# Altium PCB VM3300_V0.5_潘工改.PcbDoc (part 1 of 2) (continued)
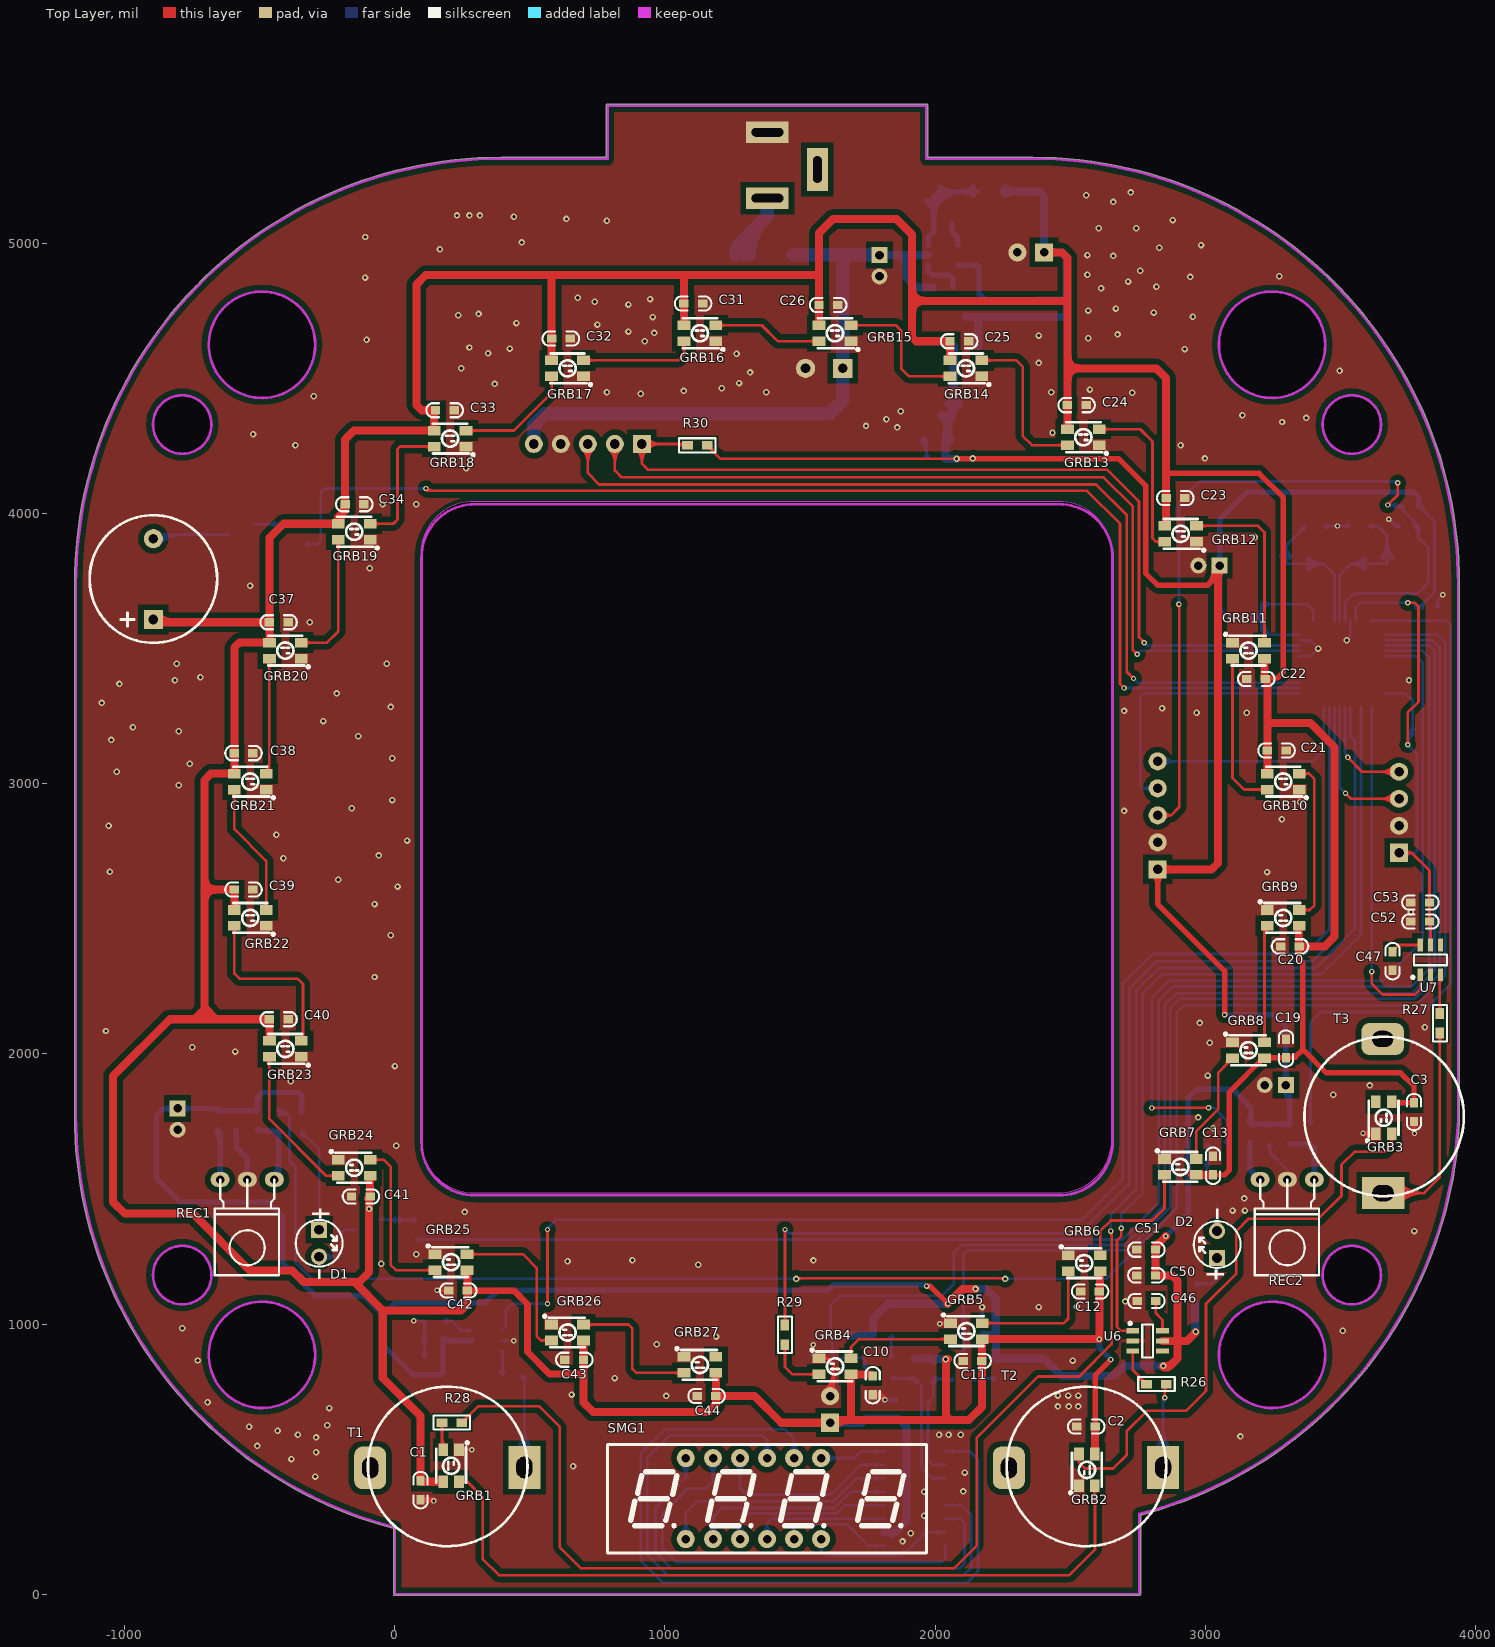
[diagram p0: Top Layer view]
## Footprints (in the part's own frame and the unit in brackets; to place one, negate y for a bottom-side part, rotate by r counter-clockwise, add the part's x,y. Pads: shape width x height; smd on the part's side, far side on the other; paste and mask are expansions set on the pad) (continued)
  silkscreen extent -3.68,-4.83 2.65,2.65, body extent -4.5,-4.5 4.5,4.5, height 1.05
SWD_JOANLAB [mm]
  rect 1.7x1.7 hole 0.9: 1(10.16,0)
  round 1.7 hole 0.9: 2(7.62,0) 3(5.08,0) 4(2.54,0) 5(0,0)
  silkscreen extent -2.4,-3.45 12.6,2.49, body extent -2.5,-3.3 12.66,2.4, height 7.03
TH_Touch [mm]
  rect 4x3 hole 2 slot 1.5 at 90 deg: 1(-0.062,-13.535)
  rrect50% 4x3 hole 2 slot 1.5 at 90 deg: 2(-0.102,0.965)
  silkscreen extent -7.46,-13.82 7.54,1.17, body extent -7.53,-13.64 7.57,1.46, height 8
TK8021 [mm]
  rect 0.5x1.2 smd: 1(-0.95,-1.4) 2(0,-1.4) 3(0.95,-1.4) 4(0.95,1.4) 5(0,1.4) 6(-0.95,1.4)
  silkscreen extent -1.78,-1.78 1.55,0.51, body extent -1.5,-1.4 1.5,1.4, height 1.15
TM1650 [mm]
  oval 1.745x0.56 smd: 1(-2.872,4.572) 2(-2.872,3.302) 3(-2.872,2.032) 4(-2.872,0.762) 5(-2.872,-0.508) 6(-2.872,-1.778) 7(-2.872,-3.048) 8(-2.872,-4.318) 9(2.872,-4.318) 10(2.872,-3.048) 11(2.872,-1.778) 12(2.872,-0.508) 13(2.872,0.762) 14(2.872,2.032) 15(2.872,3.302) 16(2.872,4.572)
  silkscreen extent -3.02,-4.95 1.77,5.45, body extent -3,-4.87 3,5.13, height 1.9
WS2812B-3528 [mm] "外观?"
  rect 1.2x0.9 smd: 1(-1.5,0.75) 2(-1.5,-0.75) 3(1.5,-0.75) 4(1.5,0.75)
  silkscreen extent -1.6,-1.65 2.29,1.4, body extent -1.75,-1.4 1.75,1.4, height 1.85
XH2.54-4P [mm]
  rect 1.7x1.7 hole 0.9: 1(0,0)
  round 1.7 hole 0.9: 2(2.54,0) 3(5.08,0) 4(7.62,0)
  silkscreen extent -2.49,-3.45 9.88,2.49, body extent -2.5,-3.3 10.12,2.4, height 7.03
XH2.54-5P [mm]
  rect 1.7x1.7 hole 0.9: 1(0,0)
  round 1.7 hole 0.9: 2(2.54,0) 3(5.08,0) 4(7.62,0) 5(10.16,0)
  silkscreen extent -2.4,-3.45 12.6,2.49, body extent -2.5,-3.3 12.66,2.4, height 7.03
"XTAL-49S SMD" [mm]
  rect 5x2 smd: 1(-4.75,0) 2(4.75,0)
  silkscreen extent -5.7,-2.4 5.7,2.4, body extent -6.7,-2.46 6.7,2.44, height 4

## Part data
E1 E2 E3 E4 E5 E6 E7: library part C-
L1: library part L
Q1 Q2: "N-MOS"
R28 R29: library part R
REC1 REC2: library part HC-1538
T1 T2 T3: library part T
U1: "STM32F030采用ARM Cortex内核，运算速度高达48"
U2: "D"
U3: library part AMS111
U4: "TM1650是一种带"
Y1: library part XTA

## Via types
v1: diameter 24, hole 12, Top Layer to Bottom Layer, 169 vias
v2: diameter 20, hole 10, Top Layer to Bottom Layer, 41 vias
v3: diameter 24, hole 12, Top Layer to Bottom Layer, tented both sides, 33 vias

## Nets (pads, with @x,y where several pads share a name; then routed paths per layer and width w, separated by ;. In a path a pad name is that pad's centre, name@x,y a point inside that pad or via, vN(x,y) a via of type N, cw(c..) or ccw(c..) an arc to the next point about the centre after c; other vN are vias at no path point)
3.3V: C5.2 C6.2 C7.2 C8.2 C16.2 C17.2 C35.1 C36.1 C48.2 C49.2 C50.2 C51.2 C52.2 C53.2 E2.1 E5.1 E6.1 R1.2 R5.2 R6.2 R7.2 R9.2 R11.2 R12.2 R13.1 R14.1 R17.2 R18.2 R30.2 SWD1.1 U1.1 U1.9 U1.24 U1.48 U3.2 U5.5 U6.5 U7.5 UART.1 | length 20396.2
  Top Layer w10: R30.2@1156.5,4253.65 1206.5,4203.65 v1(2080,4203.65) ; R30.2@1160.75,4242.9 cw(c1160.75,4227.22) R30.2@1171.84,4238.31 ; R30.2@1171.5,4253.65 ccw(c1207.71,4253.65) 1182.11,4228.04 ; v1@2075.05,4198.7 ccw(c2063.1,4186.75) 2063.1,4203.65 ccw(c2063.1,4220.55) v1@2075.05,4208.6 ; UART.1@3718.19,2745 3764.65,2745 ; UART.1@3743.54,2732.07 cw(c3764.65,2721.31) 3764.65,2745 ; UART.1@3743.54,2757.93 ccw(c3764.65,2768.69) 3764.65,2745 ; v2@3746.46,3148.54 ccw(c3737.93,3157.07) 3750,3157.07 ccw(c3762.07,3157.07) v2@3753.54,3148.54 ; v2(3750,3145) 3750,3264.03 3790,3304.03 3790,3656.02 3774.93,3671.08 v2(3750,3671.08) ; v2@3753.54,3667.55 cw(c3762.07,3659.01) 3762.07,3671.08 cw(c3762.07,3683.15) v2@3753.54,3674.62 ; C52.2@3823.96,2497.07 ccw(c3806.89,2514.14) 3831.03,2514.14 ccw(c3855.18,2514.14) C52.2@3838.11,2497.07 ; C53.2@3823.96,2554.06 cw(c3806.89,2536.98) 3831.03,2536.98 cw(c3855.18,2536.98) C53.2@3838.11,2554.06 ; C53.2@3823.96,2568.2 ccw(c3806.89,2585.27) 3831.03,2585.27 ccw(c3855.18,2585.27) C53.2@3838.11,2568.2 ; C52.2@3826.46,2482.93 cw(c3807.21,2463.68) 3834.44,2463.68 ; U7.5@3831.01,2420.97 ccw(c3822.75,2429.24) 3834.44,2429.24 ccw(c3846.13,2429.24) U7.5@3837.86,2420.97 ; U7.5@3834.44,2403.77 3834.44,2486.6 C52.2@3831.03,2490 C53.2@3831.03,2561.13 3831.03,2678.62 3764.65,2745 ; 3834.44,2468.04 cw(c3855.5,2468.04) C52.2@3840.61,2482.93
  Top Layer w20: 1991.25,1131.2 ccw(c1968.79,1108.74) v2(1968.79,1140.51) 1981.95,1140.51 v2(2047.3,1075.16) ; v1(2080,4203.65) 2681.35,4203.65 2780,4105 2780,3780 2825,3735 3009.44,3735 ; SWD1.1@2807.84,2667.06 cw(c2767.79,2627) 2824.44,2627 cw(c2881.09,2627) SWD1.1@2841.03,2667.06 ; SWD1.1@2824.44,2683.65 2824.44,2555.56 3072.18,2307.82 v2(3072.18,2145) ; E2.1@3034.4,3806.44 cw(c2947.83,3796.62) 3009.44,3735 ; 3038.77,3764.34 ccw(c3000.51,3802.6) E2.1@3054.28,3808.7 ; E2.1@3053.81,3808.65 3053.81,3779.37 3047.09,3772.66 3009.44,3735
  Top Layer w30: v2(2047.3,1075.16) 2102.14,1130 v3(2150,1130) ; C51.2@2818.93,1275.34 cw(c2853.15,1275.34) 2828.95,1299.53 ; SWD1.1@2824.44,2683.65 3024.44,2683.65 3047.09,2706.3 3047.09,3772.66 ; SWD1.1@2837.49,2670.59 cw(c2869.01,2639.07) 2869.01,2683.65 cw(c2869.01,2728.22) SWD1.1@2837.49,2696.7 ; U6.5@2842.55,937.34 2897.43,937.34 ; v3@2843.3,842.53 ccw(c2855.33,860) 2870.33,845 ; v3@2845,842 ccw(c2845,895.9) 2883.11,857.79 ; v3(2845,845) 2870.33,845 ; v2(2854.42,1325) 2816.43,1287.01 C51.2@2816.43,1275.34 C50.2@2816.43,1180.34 2877.43,1180.34 2897.43,1160.34 2897.43,937.34 ; v3(2965,971.16) 2965,969.21 2933.13,937.34 2897.43,937.34 ; 3047.09,3757.37 cw(c3105.09,3757.37) E2.1@3064.08,3798.38 ; 3047.09,3772.04 cw(c3074.74,3772.04) E2.1@3061.02,3796.04 ; UART.1@3719.44,2733.65 UART.1@3729.44,2743.65 ; 2870.33,845 2897.43,872.11 2897.43,937.34
  Bottom Layer w10: R6.2@1767.94,958.65 R6.2@1770,960.71 ; R18.2@3169.06,1740.03 3170.44,1738.65 C36.1@3239.36,1738.65 ; R18.2@3172.6,1732.23 cw(c3188.09,1716.74) 3188.09,1738.65 ; R18.2@3172.6,1747.43 ccw(c3193.81,1768.64) 3193.81,1738.65 ; C8.2@3214,3665 3379.89,3665 3400.16,3644.73 U1.1@3400.16,3604 ; C6.2@3217.06,3560.02 cw(c3218.61,3532.26) 3238.27,3551.92 ; C6.2@3220.54,3569.65 3238.27,3551.92 ; C8.2@3223.57,3657.93 cw(c3240.64,3640.86) 3240.64,3665 cw(c3240.64,3689.14) C8.2@3223.57,3672.07 ; C6.2@3226.5,3570 ccw(c3241.74,3570) C6.2@3230.96,3559.22 ; C36.1@3232.29,1731.58 ccw(c3215.21,1714.5) 3215.21,1738.65 ccw(c3215.21,1762.79) C36.1@3232.29,1745.72 ; U1.48@3348.08,3551.92 3238.27,3551.92 ; U1.9@3557.64,3604 3557.64,3651.86 3576.87,3671.08 v2(3750,3671.08) 3771.36,3671.08 ; U1.24@3668.78,3335.38 3741.63,3335.38 3769,3308.01 C7.2@3769,3193 3750,3174 ; UART.1@3718.19,2743.65 3776.18,2743.65 ; UART.1@3732.35,2733.16 cw(c3754.79,2714.41) 3754.79,2743.65 ; UART.1@3733.2,2755.74 ccw(c3756.73,2772.58) 3756.73,2743.65 ; UART.1@3740.03,2726.75 cw(c3776.18,2696.53) 3776.18,2743.65 ; UART.1@3741.34,2761.56 ccw(c3776.18,2786.49) 3776.18,2743.65 ; v2@3746.46,3148.54 ccw(c3737.93,3157.07) 3750,3157.07 ccw(c3762.07,3157.07) v2@3753.54,3148.54 ; v2@3746.46,3667.55 ccw(c3737.93,3659.01) 3737.93,3671.08 ccw(c3737.93,3683.15) v2@3746.46,3674.62 ; v2@3747.5,3149.33 ccw(c3740.25,3161.89) 3754.26,3158.14 ; v2@3750,3140 cw(c3750,3127.93) 3758.54,3136.46 cw(c3767.07,3145) v2@3755,3145 ; v2@3750,3142.25 cw(c3801.86,3142.25) C7.2@3772.22,3184.8 ; 3750,3161.4 cw(c3788.52,3161.4) C7.2@3766.5,3193 ; 3753.37,3154.81 ccw(c3762.68,3152.32) v2@3754.33,3147.5 ; v2@3753.54,3667.55 cw(c3762.07,3659.01) 3762.07,3671.08 cw(c3762.07,3683.15) v2@3753.54,3674.62 ; 3753.7,3177.7 cw(c3766.5,3164.9) C7.2@3766.5,3183 ; C7.2@3756.54,3192.09 cw(c3733.98,3190.02) 3750,3174.01 ; C7.2@3761.93,3200.08 ccw(c3744.86,3217.15) 3769,3217.15 ccw(c3793.14,3217.15) C7.2@3776.07,3200.08 ; 3777.13,3665.3 ccw(c3789.94,3678.11) C5.2@3789.94,3660 ; C5.2@3779.94,3650.09 ccw(c3750.64,3650.36) 3771.36,3671.08 ; R1.2@3791.19,4030 3849.44,3971.75 3849.44,3710.58 3792.44,3653.58 C5.2@3792.44,3650 3771.36,3671.08 ; R1.2@3795.44,4019.25 cw(c3795.44,4003.57) R1.2@3806.53,4014.66 ; C5.2@3804.94,3650 cw(c3843.76,3650) 3816.31,3677.45 ; R1.2@3806.19,4030 ccw(c3842.4,4030) 3816.79,4004.39 ; 3750,3174 v2(3750,3145) 3784.44,3110.56 3784.44,2751.9 3776.18,2743.65
  Bottom Layer w20: E5.1@-818.37,1784.32 ccw(c-851.71,1750.98) -851.71,1798.13 ccw(c-851.71,1845.27) E5.1@-818.37,1811.94 ; E5.1@-790.76,1784.32 cw(c-757.42,1750.98) -757.42,1798.13 cw(c-757.42,1845.27) E5.1@-790.76,1811.94 ; -677.8,1798.13 cw(c-677.8,1776.14) R17.2@-662.25,1791.69 ; R17.2@-654.12,1795.56 ccw(c-640.14,1809.54) -640.14,1789.78 ; R13.1@-350.57,1794.82 ccw(c-365.08,1809.32) -344.56,1809.32 ; R13.1@-346.51,1786.5 -344.56,1788.44 -344.56,1845 -356.74,1857.18 -490.08,1857.18 -510.13,1837.13 R11.2@-510.13,1789.78 -656.46,1789.78 R17.2@-658.19,1791.5 -664.81,1798.13 E5.1@-804.56,1798.13 -856.28,1798.13 -884.17,1770.24 -884.17,1540 -796.19,1452.02 -469.48,1452.02 -414.88,1397.43 -414.88,1224.32 -295.56,1105 -115.56,1105 -44.31,1033.75 ; C48.2@184.98,949.08 ccw(c210.16,974.25) 210.16,938.65 ; U5.5@284.88,938.65 185.84,938.65 C48.2@178.95,945.54 178.23,944.82 C49.2@178.23,877.62 178.23,820.98 170,812.75 66.25,812.75 -44.31,923.31 -44.31,1033.75 ; 1957.95,1145 cw(c1957.95,1129.66) v2(1968.79,1140.51) 1964.3,1145 1624.44,1145 1604.44,1125 381.04,1125 333.85,1077.82 -0.24,1077.82 -44.31,1033.75 ; v2(2854.42,1325) 2937.52,1408.1 2937.52,1836.92 2970.6,1870 3101.18,1870 3170.44,1800.75 R18.2@3170.44,1740.03 ; E2.1@3040,3794.84 cw(c3006.66,3761.5) 3053.81,3761.5 cw(c3100.95,3761.5) E2.1@3067.61,3794.84 ; E2.1@3040,3822.46 ccw(c3006.66,3855.79) 3053.81,3855.79 ccw(c3100.95,3855.79) E2.1@3067.61,3822.46 ; E2.1@3053.81,3799.01 3053.81,3644.84 3083.65,3615 3195,3615 3214,3596 ; E2.1@3053.81,3808.65 3053.81,3978.54 3155.27,4080 3772.69,4080 3791.19,4061.51 R1.2@3791.19,4030 ; v2(3072.18,2145) 3256.58,2145 3299.37,2102.21 E6.1@3299.37,1885 3312.87,1871.5 R12.2@3312.87,1740.03 R18.2@3170.44,1740.03 ; R18.2@3160.94,1752.4 ccw(c3138,1775.34) 3170.44,1775.34 ; R18.2@3165,1744.08 R18.2@3169.06,1740.03 ; R18.2@3170.44,1738.65 R18.2@3170.44,1740.03 ; C6.2@3214,3570 3214,3596 ; C8.2@3214,3665 3214,3596 ; E6.1@3285.56,1871.19 cw(c3219.64,1805.27) 3312.87,1805.27 ; E6.1@3285.56,1898.81 ccw(c3252.23,1932.14) 3299.37,1932.14 ccw(c3346.51,1932.14) E6.1@3313.18,1898.81 ; E6.1@3299.7,1885.33 cw(c3267.92,1853.55) 3312.87,1853.55
  Bottom Layer w30: R9.2@1685.94,958.65 R6.2@1767.94,958.65 ; R6.2@1770,960.71 1770,1019.5 1825.5,1075 2047.14,1075 v2(2047.3,1075.16) ; U3.2@2023.83,4365.52 cw(c1962.01,4303.7) C16.2@2049.44,4303.7 ; 2038.44,4232.95 cw(c2100.14,4232.95) C16.2@2056.51,4276.58 ; C16.2@2040.78,4288.65 ccw(c2004.52,4309.58) 2044.96,4320.41 ; 2049.44,4330.69 cw(c2098.69,4330.69) U3.2@2063.86,4365.52 ; U3.2@2049.42,4405.55 ccw(c2001.1,4453.88) 2069.44,4453.88 ccw(c2137.78,4453.88) U3.2@2089.45,4405.55 ; C16.2@2052.94,4280.15 C16.2@2049.44,4283.65 ; U3.2@2069.44,4621.76 U3.2@2069.44,4385.54 2049.44,4365.54 C16.2@2049.44,4283.65 ; v1(2080,4203.65) C17.2@2038.44,4203.65 2038.44,4272.65 C16.2@2049.44,4283.65 ; v3(2150,1130) 2189.44,1130 2225,1094.44 2225,958.65 ; R7.2@2178.34,961.16 2180.85,958.65 2225,958.65 ; v3(2845,845) 2701.08,845 2663.24,807.16 2467.87,807.16 2403.65,871.38 2225.91,871.38 R5.2@2225.91,875.15 2225.91,958.65 2225,958.65 ; R14.1@2963.52,1075.16 2963.52,972.64 v3(2965,971.16) ; E2.1@3053.81,3799.01 E2.1@3053.81,3808.65
  other v3: 2140,4205
5V: B1.1 C1.2 C2.2 C3.2 C10.2 C11.2 C12.2 C13.2 C15.2 C19.2 C20.2 C21.2 C22.2 C23.2 C24.2 C25.2 C26.2 C30.2 C31.2 C32.2 C33.2 C34.2 C37.2 C38.2 C39.2 C40.2 C41.2 C42.2 C43.2 C44.2 E3.1 E4.1 GRB1.1 GRB2.1 GRB3.1 GRB4.1 GRB5.1 GRB6.1 GRB7.1 GRB8.1 GRB9.1 GRB10.1 GRB11.1 GRB12.1 GRB13.1 GRB14.1 GRB15.1 GRB16.1 GRB17.1 GRB18.1 GRB19.1 GRB20.1 GRB21.1 GRB22.1 GRB23.1 GRB24.1 GRB25.1 GRB26.1 GRB27.1 L1.2 R2.2 R8.2 R10.2 U3.3 U4.10 | length 25794
  Top Layer w20: C2.2@2594,620 2594,811.15 2651.11,868.26 v2(2651.11,868.65) ; 2855.44,4150 3200,4150 3290,4060 3290,3414.44 3267.81,3392.25 C22.2@3219.83,3392.25 ; C13.2@3029.44,1551.98 3072.18,1551.98 3090,1569.79 3090,1858.95 3215.16,1984.12 GRB8.1@3219.83,1984.12 3221.72,1986 C19.2@3299.09,1986 3301.59,1988.5 3333.69,1988.5 3361.95,2016.76 ; GRB8.1@3199.88,1968.84 ccw(c3184.6,1984.12) GRB8.1@3206.21,1984.12 ; C22.2@3229.47,3385.11 cw(c3246.7,3367.88) 3246.7,3392.25 ; GRB8.1@3231.2,1978.66 cw(c3248.91,1960.94) 3248.91,1986 ; 3348.44,2382.65 3348.44,2349.61 3361.95,2336.1 3361.95,2016.76 ; GRB3.1@3690.95,1822.7 3694.65,1819 C3.2@3773.41,1819 3773.41,1881.02 3724.44,1930 3448.71,1930 3361.95,2016.76 ; GRB3.1@3696.4,1811.34 cw(c3714.89,1792.85) 3714.89,1819
  Top Layer w25: C42.2@268.44,1123.65 440.5,1123.65 490.85,1073.3 490.85,897.43 573.27,815 698.44,815 698.44,830
  Top Layer w30: B1.1@-894.24,3608.62 -884.28,3598.65 C37.2@-464.56,3598.65 ; B1.1@-879.79,3623.06 ccw(c-820.85,3682.01) -820.85,3598.65 ; GRB22.1@-594.62,2533.18 -594.56,2533.23 C39.2@-594.56,2608.65 -705.56,2608.65 ; GRB23.1@-464.62,2048.18 -464.56,2048.23 C40.2@-464.56,2128.65 -671.03,2128.65 ; -204.72,3992.81 ccw(c-247.34,4035.43) C34.2@-187.06,4035.43 ; GRB19.1@-201.02,3963.56 cw(c-143.41,3971.81) -184.56,4012.96 ; GRB24.1@-91.51,1549.12 -91.56,1549.06 C41.2@-91.56,1472.65 -100,1464.21 -95.56,1459.77 v3(-95.56,1426.11) -95.56,1191.57 -132.13,1155 -150,1155 ; GRB1.1@178.49,415.94 98.06,415.94 C1.2@95,419 95,660 -45,800 -45,1050 ; GRB25.1@267.08,1199.56 268.44,1198.2 C42.2@268.44,1123.65 268.44,1073.8 244.63,1050 -45,1050 ; GRB17.1@580.38,4568.18 580.44,4568.23 C32.2@580.44,4648.65 580.44,4879.65 584.44,4883.65 ; 698.44,815 698.44,709.65 733.08,675 1160.79,675 1188.44,702.65 C44.2@1188.44,733.65 ; 698.44,830 C43.2@698.44,867.65 698.44,939.06 GRB26.1@698.49,939.12 GRB26.1@698.96,938.65 ; GRB16.1@1070.38,4698.18 1070.44,4698.23 C31.2@1070.44,4778.65 1070.44,4882.65 1069.44,4883.65 ; GRB27.1@1188.49,819.12 1188.44,819.06 C44.2@1188.44,733.65 ; 1569.44,4883.65 1069.44,4883.65 ; GRB15.1@1570.38,4698.18 1570.44,4698.23 C26.2@1570.44,4773.65 1570.44,5039.65 1622.59,5091.8 1857.64,5091.8 1915,5034.44 1915,4788.65 ; E4.1@1598.28,621.38 ccw(c1566.76,589.86) 1566.76,634.43 ccw(c1566.76,679.01) E4.1@1598.28,647.49 ; E4.1@1611.34,634.43 1430.57,634.43 1331.35,733.65 C44.2@1188.44,733.65 ; E4.1@1611.34,644.28 1689.44,644.28 ; E4.1@1624.4,621.38 cw(c1679.68,566.1) 1679.68,644.28 ; C10.2@1769.44,807.65 1763.34,813.75 GRB4.1@1688.81,813.75 1688.81,644.9 1689.44,644.28 ; v3@2048.08,870 v3(2040,870) 2040,659.84 2050,649.84 2044.44,644.28 ; GRB14.1@2055.38,4568.26 2055.38,4639.06 C25.2@2055.44,4639.12 1929.53,4639.12 1915,4653.65 1915,4788.65 ; E3.1@2403.65,4967.86 2470.22,4967.86 2490.38,4947.7 2490.38,4793.65 ; E3.1@2416.71,4954.8 cw(c2448.23,4923.28) 2448.23,4967.86 cw(c2448.23,5012.44) E3.1@2416.71,4980.92 ; GRB13.1@2490.38,4313.18 2490.38,4538.65 ; GRB2.1@2592.16,519.06 2592.16,618.16 C2.2@2594,620 ; GRB6.1@2611.39,1195.89 2611.39,1123.78 C12.2@2608.44,1120.82 v2(2608.44,944.09) GRB5.1@2175.26,944.09 2173.44,942.27 C11.2@2173.44,863.65 2173.44,692.65 2125.07,644.28 2044.44,644.28 ; GRB12.1@2850.38,3955.36 2855.44,3960.42 C23.2@2855.44,4058.65 2855.44,4150 2855.44,4502.65 2819.44,4538.65 2490.38,4538.65 ; GRB7.1@2952.1,1551.99 GRB7.1@2967.49,1551.99 C13.2@3029.44,1551.98 ; GRB11.1@3219.83,3464.12 3219.83,3392.25 C22.2@3223.44,3388.65 3230.91,3381.18 3230.91,3225 ; GRB10.1@3230.38,3038.18 3230.38,3123.12 C21.2@3230.91,3123.65 3230.91,3225 ; 3348.44,2382.65 C20.2@3348.44,2398.65 ; GRB9.1@3348.49,2474.12 3348.44,2474.06 C20.2@3348.44,2398.65 ; -705.56,2608.65 -705.56,2163.18 -671.03,2128.65 ; -705.56,2608.65 -705.56,3013.65 -681.03,3038.18 GRB21.1@-594.62,3038.18 -594.56,3038.23 C38.2@-594.56,3113.65 -594.56,3504.64 -576.02,3523.18 GRB20.1@-464.62,3523.18 -464.56,3523.23 C37.2@-464.56,3598.65 ; -671.03,2128.65 -832.51,2128.65 -1043.35,1917.81 -1043.35,1452.02 -1000,1408.68 -747.98,1408.68 -537.5,1198.2 -379.87,1198.2 -336.66,1155 -150,1155 ; C37.2@-464.56,3598.65 -464.56,3911.36 -412.75,3963.18 GRB19.1@-209.62,3963.18 -209.62,3987.91 -184.56,4012.97 ; -184.56,4012.97 C34.2@-184.56,4035.43 -184.56,4274.65 -151.03,4308.18 GRB18.1@145.38,4308.18 145.38,4378.59 C33.2@150.44,4383.65 99.12,4383.65 79.44,4403.33 79.44,4848.65 114.44,4883.65 584.44,4883.65 ; -150,1155 -45,1050 ; 584.44,4883.65 1069.44,4883.65 ; 1689.44,644.28 2044.44,644.28 ; 1915,4788.65 2485.38,4788.65 2490.38,4793.65 ; 2490.38,4538.65 2490.38,4793.65 ; 3230.91,3225 3390,3225 3479.44,3135.56 3479.44,2434.44 3443.65,2398.65 C20.2@3348.44,2398.65
  Bottom Layer w20: v2(2608.44,944.09) 2608.44,911.32 v2(2651.11,868.65)
  Bottom Layer w30: E4.1@1606.9,630 E4.1@1611.34,634.43 1729.85,634.43 1745.06,649.65 C30.2@1856.34,649.65 1865.35,649.65 1895,620 1895,270 1853.65,228.65 ; E4.1@1624.4,621.38 cw(c1655.92,589.86) 1655.92,634.43 cw(c1655.92,679.01) E4.1@1624.4,647.49 ; U4.10@1811.35,228.65 1853.65,228.65 ; U4.10@1832.98,225.05 ccw(c1840.76,241.54) 1853.65,228.65 ; U4.10@1834.67,224.67 ccw(c1834.67,260.88) 1860.28,235.28 ; C30.2@1856.34,647.15 cw(c1856.34,619.35) 1875.99,639.01 ; R10.2@1924.44,871.65 1991.44,871.65 R8.2@1992.94,870.15 1998.49,864.59 2003.9,870 v3(2040,870) ; C15.2@2114.44,4728.65 2164.44,4728.65 ; U3.3@2159.99,4621.76 2159.99,4724.2 2164.44,4728.65 ; L1.2@2251.68,5193.65 2384.44,5193.65 2403.65,5174.43 E3.1@2403.65,4967.86 2470.22,4967.86 2486.32,4951.76 2486.32,4788.65 ; L1.2@2263.35,5181.98 cw(c2291.51,5153.82) 2291.51,5193.65 cw(c2291.51,5233.47) L1.2@2263.35,5205.31 ; R2.2@2375.94,4790.01 2484.96,4790.01 2486.32,4788.65 ; E3.1@2390.59,4980.92 ccw(c2359.07,5012.44) 2403.65,5012.44 ccw(c2448.23,5012.44) 2416.71,4980.92 ccw(c2448.23,5012.44) 2448.23,4967.86 ccw(c2448.23,4923.28) E3.1@2416.71,4954.8 ; 2164.44,4728.65 2474.85,4728.65 2486.32,4740.12 2486.32,4788.65
12V: E1.1 E7.1 JP1.5 R3.1 U2.5 VD1.2 | length 2549.5
  Bottom Layer w30: E1.1@1794.44,4958.02 1895,4958.02 ; E1.1@1804.71,4947.75 cw(c1829.51,4922.95) 1829.51,4958.02 cw(c1829.51,4993.09) E1.1@1804.71,4968.29 ; U2.5@1974.31,4958.64 1973.69,4958.02 1895,4958.02 ; R3.1@1992.94,4838.65 1931.35,4838.65 1895,4875 1895,4958.02
  Bottom Layer w50: JP1.5@514.44,4258.65 514.44,4329.44 555,4370 1609.44,4370 1658.33,4418.9 E7.1@1658.33,4538.65 1658.33,4945.18 1672.63,4959.47 ; VD1.2@1474.99,4959.47 1672.63,4959.47 ; E1.1@1794.44,4958.02 1792.99,4959.47 1672.63,4959.47
Beep: R19.1 U1.38 | length 4719.4
  Top Layer w10: v2@111.46,4090.11 ccw(c123.81,4102.45) 123.81,4085 ; v2@115,4088.65 cw(c115,4076.58) 123.54,4085.11 cw(c132.07,4093.65) v2@120,4093.65 ; v2(115,4093.65) 123.65,4085 2563.49,4085 2685,3963.49 2685,3370.07 v2(2700,3355.07) ; v2@118.54,4097.18 ccw(c147.95,4126.6) 147.95,4085 ; v2@2695,3355.07 ccw(c2682.93,3355.07) 2691.46,3363.6 ccw(c2700,3372.14) v2@2700,3360.07
  Bottom Layer w10: R19.1@-330.56,3887.15 -288.42,3887.15 -275,3900.56 -275,4078.65 -260,4093.65 v2(115,4093.65) ; R19.1@-322.96,3879.55 cw(c-304.62,3861.2) -304.62,3887.15 cw(c-304.62,3913.1) R19.1@-322.96,3894.75 ; v2@111.46,4090.11 ccw(c102.93,4081.58) 102.93,4093.65 ccw(c102.93,4105.72) v2@111.46,4097.18 ; v2(2700,3355.07) 2700.32,3354.75 2762.25,3354.75 ; v2@2703.54,3351.53 cw(c2711.31,3343.76) 2711.31,3354.75 ; v2@2703.54,3358.6 ccw(c2712.83,3367.9) 2712.83,3354.75 ; 2728.02,3355.07 U1.38@3348.08,3355.07
CW: JP1.3 U1.39 | length 3638.2
  Top Layer w10: JP1.3@694.31,4238.52 cw(c645.72,4189.93) 714.44,4189.93 cw(c783.16,4189.93) JP1.3@734.56,4238.52 ; JP1.3@701.38,4245.59 cw(c669.86,4214.07) 714.44,4214.07 cw(c759.01,4214.07) JP1.3@727.49,4245.59 ; JP1.3@714.44,4258.65 714.44,4150.71 756.5,4108.65 2596.35,4108.65 2710,3995 2710,3415.29 v2(2735,3390.29) ; v2@2730,3390.29 ccw(c2717.93,3390.29) 2726.46,3398.82 ccw(c2735,3407.36) v2@2735,3395.29
  Bottom Layer w10: v2@2735,3385.29 cw(c2735,3373.22) 2743.54,3381.75 cw(c2752.07,3390.29) v2@2740,3390.29 ; v2(2735,3390.29) 2750.22,3375.07 ; 2770,3375.07 2750.22,3375.07 ; U1.39@3348.08,3374.75 2750.54,3374.75 2750.22,3375.07
D1: R20.1 U1.16 | length 5969.6
  Bottom Layer w10: R20.1@79.44,1312.72 2693.51,1312.72 2828.44,1447.65 2828.44,2197.95 2880.49,2250 3764.22,2250 3829.44,2315.22 3829.44,3463.65 3829.44,3468.65 3805.22,3492.86 U1.16@3668.78,3492.86 ; R20.1@87.04,1305.12 cw(c105.38,1286.77) 105.38,1312.72 cw(c105.38,1338.67) R20.1@87.04,1320.32
D2: R21.1 U1.17 | length 3170.7
  Top Layer w10: v2(2802.12,1800) 2803.17,1801.05 v2(3012.94,1801.05) ; v2@2805.65,1796.46 cw(c2816.72,1785.4) 2816.72,1801.05 ; v2@3009.4,1797.51 ccw(c3000.87,1788.98) 3000.87,1801.05 ccw(c3000.87,1813.12) v2@3009.4,1804.58
  Bottom Layer w10: v2@2798.58,1803.54 ccw(c2790.05,1812.07) 2802.12,1812.07 ccw(c2814.19,1812.07) v2@2805.65,1803.54 ; v2(2802.12,1800) 2802.12,2207.12 2865.54,2270.54 3656.72,2270.54 3806.34,2420.16 3806.34,3448.65 3781.81,3473.18 U1.17@3668.78,3473.18 ; v2(3012.94,1801.05) 3032.29,1801.05 3080.94,1752.4 R21.1@3080.94,1666.78 ; v2@3016.48,1797.51 cw(c3025.01,1788.98) 3025.01,1801.05 cw(c3025.01,1813.12) v2@3016.48,1804.58 ; R21.1@3073.34,1674.38 ccw(c3054.99,1692.73) 3080.94,1692.73 ccw(c3106.88,1692.73) R21.1@3088.54,1674.38
ETX_12V: CON1.1 VD1.1 | length 439.4
  Bottom Layer w50: VD1.1@1262.19,4959.47 cw(c1325.86,4959.47) 1280.84,5004.49 ; VD1.1@1293.89,4959.47 1293.89,5017.53 1379.44,5103.08 CON1.1@1379.44,5168.65 ; VD1.1@1312.19,4959.47 cw(c1496.57,4959.47) 1366.2,5089.84
FG: JP1.1 R30.1 U1.46 | length 3678.8
  Top Layer w10: JP1.1@894.31,4238.52 cw(c845.72,4189.93) 914.44,4189.93 cw(c983.16,4189.93) 934.56,4238.52 cw(c983.16,4189.93) 983.16,4258.65 cw(c983.16,4327.37) JP1.1@934.56,4278.78 ; JP1.1@901.38,4245.59 cw(c869.86,4214.07) 914.44,4214.07 cw(c959.01,4214.07) 927.49,4245.59 cw(c959.01,4214.07) 959.01,4258.65 cw(c959.01,4303.22) JP1.1@927.49,4271.7 ; 1041.23,4258.65 cw(c1041.23,4215.63) R30.1@1071.65,4246.05 ; R30.1@1083.5,4253.65 1078.5,4258.65 JP1.1@914.44,4258.65 914.44,4185.56 936.35,4163.65 2637.36,4163.65 2755,4046.01 2755,3543.18 v2(2775,3523.18) ; v2@2770,3523.18 ccw(c2757.93,3523.18) 2766.46,3531.71 ccw(c2775,3540.25) v2@2775,3528.18
  Bottom Layer w10: v2@2775,3518.18 cw(c2775,3506.11) 2783.54,3514.64 cw(c2792.07,3523.18) v2@2780,3523.18 ; v2(2775,3523.18) 2785.63,3512.55 U1.46@3348.08,3512.55
GND: C1.1 C2.1 C3.1 C5.1 C6.1 C7.1 C8.1 C9.1 C10.1 C11.1 C12.1 C13.1 C14.1 C15.1 C16.1 C17.1 C18.1 C19.1 C20.1 C21.1 C22.1 C23.1 C24.1 C25.1 C26.1 C27.1 C28.1 C30.1 C31.1 C32.1 C33.1 C34.1 C35.2 C36.2 C37.1 C38.1 C39.1 C40.1 C41.1 C42.1 C43.1 C44.1 C45.2 C46.2 C47.2 C48.1 C49.1 C50.1 C51.1 C52.1 C53.1 CON1.2 D3.1 E1.2 E2.2 E3.2 E4.2 E5.2 E6.2 E7.2 GRB1.3 GRB2.3 GRB3.3 GRB4.3 GRB5.3 GRB6.3 GRB7.3 GRB8.3 GRB9.3 GRB10.3 GRB11.3 GRB12.3 GRB13.3 GRB14.3 GRB15.3 GRB16.3 GRB17.3 GRB18.3 GRB19.3 GRB20.3 GRB21.3 GRB22.3 GRB23.3 GRB24.3 GRB25.3 GRB26.3 GRB27.3 JP1.4 Q3.2 Q4.2 Q5.2 R4.1 R22.1 R23.1 R24.1 REC1.2 REC2.2 SWD1.2 U1.8 U1.23 U1.44 U1.47 U2.2 U3.1 U4.4 U5.2 U6.2 U7.2 UART.2 | length 3308.7
  Top Layer w10: v2(155.98,1125) 157.33,1123.65 C42.1@199.44,1123.65 ; v2@159.51,1128.54 ccw(c171.31,1140.34) 171.31,1123.65 ; C42.1@189.87,1116.58 ccw(c172.79,1099.51) 172.79,1123.65 ccw(c172.79,1147.79) C42.1@189.87,1130.72 ; GRB1.3@237.55,534.06 284.06,534.06 v2(285,535) ; GRB4.3@1570.7,872.81 1605.22,872.81 ; GRB4.3@1586.04,864.28 cw(c1605.22,846.97) 1605.22,872.81 ; GRB4.3@1586.04,881.33 ccw(c1605.22,898.64) 1605.22,872.81 ; E4.2@1591.21,752.99 ccw(c1510.23,833.97) 1624.75,833.97 ; E4.2@1598.28,745.92 ccw(c1534.38,809.82) 1624.75,809.82 ; E4.2@1605.35,738.85 ccw(c1558.52,785.68) 1624.75,785.68 ; E4.2@1611.34,732.86 1624.75,746.27 1624.75,853.27 1605.22,872.81 ; 1624.75,769.19 ccw(c1647.67,769.19) E4.2@1631.47,752.99 ; v2(2018.05,1000.66) v2@2020.54,1003.15 ; v2@2021.58,997.12 cw(c2036.13,982.57) GRB5.3@2036.13,1003.15 ; v2@2021.94,997.52 cw(c2028.58,992.16) 2030.78,1000.4 ; v2@2022.38,998.16 cw(c2038.04,989.12) 2033.36,1006.58 ; GRB5.3@2042.25,994.16 ccw(c2020.54,972.45) v2@2020.54,1003.15 ; GRB5.3@2042.25,1012.14 cw(c2020.54,1033.85) v2@2020.54,1003.15 ; GRB5.3@2057.15,1003.15 v2@2020.54,1003.15 ; GRB10.3@3339.5,2970.13 cw(c3317.79,2948.42) 3348.49,2948.42 cw(c3379.19,2948.42) GRB10.3@3357.48,2970.13 ; 3348.49,2949.46 ccw(c3367.15,2949.46) v2@3353.96,2936.26 ; GRB10.3@3348.49,2979.12 3348.49,2934.66 v2(3350.42,2932.73)
  Top Layer w20: C1.1@95,350 138.5,350 v2(143.5,345) ccw(c131.43,332.93) 131.43,350 ; C10.1@1769.44,738.65 1795.79,738.65 v2(1814.44,720) ; v2(3584.74,1706.68) 3586.83,1704.59 GRB3.3@3631.89,1704.59 ; GRB3.3@3626.43,1699.14 ccw(c3613.26,1685.96) 3613.26,1704.59 ccw(c3613.26,1723.22) GRB3.3@3626.43,1710.05 ; C3.1@3773.41,1750 3773.41,1707.66 v2(3775.38,1705.7)
  Bottom Layer w10: v2(70,1011.96) C45.2@110.23,1011.96 109.95,1011.67 C48.1@109.95,945.54 109.23,944.82 C49.1@109.23,877.62 ; C49.1@102.16,884.69 ccw(c85.09,901.76) 109.23,901.76 ccw(c133.37,901.76) C49.1@116.3,884.69 ; C48.1@102.88,938.47 cw(c87.54,923.13) 109.23,923.13 ; C48.1@102.88,952.61 ccw(c85.81,969.68) 109.95,969.68 ccw(c134.09,969.68) C48.1@117.02,952.61 ; C45.2@103.16,1004.89 cw(c86.77,988.5) 109.95,988.5 ; 109.23,919.67 cw(c135.82,919.67) C48.1@117.02,938.47 ; 109.95,987.13 cw(c135.06,987.13) C45.2@117.3,1004.89 ; U5.2@395.12,938.65 439.47,938.65 v2(440,938.11) ; U5.2@412.32,935.22 cw(c420.59,926.96) 420.59,938.65 cw(c420.59,950.34) U5.2@412.32,942.07 ; 426.64,938.65 cw(c426.64,924.76) v2@436.46,934.58 ; 429.21,938.65 ccw(c429.21,948.9) v2@436.46,941.65 ; C28.1@1542.93,882.22 ccw(c1525.86,899.29) 1550,899.29 ccw(c1574.14,899.29) C28.1@1557.07,882.22 ; v2@1545.9,919.47 cw(c1536.01,909.57) 1550,909.57 ; v2(1549.44,923) 1550,922.44 C28.1@1550,875.15 ; 1550,912.29 cw(c1560.15,912.29) v2@1552.97,919.47 ; C16.1@1945.29,4269.51 cw(c1887.01,4211.22) C17.1@1969.44,4211.22 ; C16.1@1952.37,4276.58 cw(c1911.15,4235.36) 1969.44,4235.36 ; C17.1@1962.37,4210.72 ccw(c1945.29,4227.79) 1969.44,4227.79 ccw(c1993.58,4227.79) C17.1@1976.51,4210.72 ; C17.1@1969.44,4203.65 1969.44,4273.65 C16.1@1959.44,4283.65 cw(c1935.29,4259.51) 1969.44,4259.51 cw(c1983.58,4259.51) C16.1@1973.58,4269.51 ; C27.1@2167.37,1032.09 ccw(c2150.29,1049.16) 2174.44,1049.16 ccw(c2198.58,1049.16) C27.1@2181.51,1032.09 ; v3@2169.49,1057.81 cw(c2157.54,1045.86) 2174.44,1045.86 cw(c2191.34,1045.86) v3@2179.39,1057.81 ; C27.1@2174.44,1025.02 v3(2174.44,1062.76) ; C36.2@3232.29,1660.08 cw(c3215.21,1643) 3239.36,1643 cw(c3263.5,1643) C36.2@3246.43,1660.08 ; C36.2@3239.36,1669.65 3239.36,1636.16 3304.54,1570.98 ; REC2.2@3294.71,1555.31 ccw(c3287.13,1570.98) 3304.54,1570.98 ; REC2.2@3304.54,1535 3304.54,1570.98 ; REC2.2@3314.36,1555.31 cw(c3321.95,1570.98) 3304.54,1570.98 ; U1.44@3348.08,3473.18 3391.58,3473.18 v1(3419.44,3501.03) 3388.24,3532.23 U1.47@3348.08,3532.23 ; U1.47@3377.6,3531.32 cw(c3377.6,3503.47) 3397.3,3523.16 ; v1@3419.44,3494.03 ccw(c3419.44,3477.13) 3407.49,3489.08 ccw(c3395.54,3501.03) 3412.44,3501.03 ccw(c3395.54,3501.03) 3407.49,3512.98 ccw(c3419.44,3524.93) v1@3419.44,3508.03 ; C14.1@3440,3953.87 3441.13,3955 v2(3490,3955) C18.1@3535,3955 ; C14.1@3449.57,3946.79 cw(c3469.38,3926.98) 3469.38,3955 ; C14.1@3449.57,3960.94 ccw(c3463.9,3975.27) 3463.9,3955 ; v2@3486.46,3951.46 ccw(c3477.93,3942.93) 3477.93,3955 ccw(c3477.93,3967.07) v2@3486.46,3958.54 ; v2@3493.54,3951.46 cw(c3502.07,3942.93) 3502.07,3955 cw(c3502.07,3967.07) v2@3493.54,3958.54 ; v1(3525,3532.23) 3537.96,3545.19 U1.8@3537.96,3604 ; v1@3525,3539.23 ccw(c3525,3556.13) 3536.95,3544.18 ccw(c3548.9,3532.23) v1@3532,3532.23 ; C18.1@3525.43,3947.93 ccw(c3508.36,3930.86) 3508.36,3955 ccw(c3508.36,3979.14) C18.1@3525.43,3962.07 ; v2@3680,3974.87 cw(c3680,3962.79) 3688.54,3971.33 cw(c3697.07,3979.87) v2@3685,3979.87 ; v2(3680,3979.87) 3709.87,3950 C9.1@3719.69,3950 ; v2@3684.83,3981.16 ccw(c3705.69,3986.75) 3694.89,3968.05 ; 3687.62,3972.25 ccw(c3717.19,4001.81) C9.1@3717.19,3960 ; C5.1@3854.37,3657.07 ccw(c3837.29,3674.14) 3861.44,3674.14 ccw(c3885.58,3674.14) C5.1@3868.51,3657.07 ; C5.1@3861.44,3650 3861.44,3681.44 v2(3880,3700) ; v2@3875,3700 cw(c3862.93,3700) 3871.46,3691.46 cw(c3880,3682.93) v2@3880,3695
  Bottom Layer w20: C35.2@-586.71,1719.28 -586.71,1653.34 -546.38,1613.01 REC1.2@-546.38,1535 ; REC1.2@-558.8,1547.42 ccw(c-588.77,1577.39) -546.38,1577.39 ccw(c-503.99,1577.39) REC1.2@-533.96,1547.42 ; v2(1814.44,720) 1815.79,718.65 C30.1@1856.34,718.65
  other v1: 1880,195 1910,225 1959.44,290 1959.44,378.65 2104.44,380 -295,435 2110,450 660,473.65 -382.96,500 -291.6,525 -510,548.65 -291.6,580 3131.05,583.65 -359,590 2015,590 2050,590 2095,590 -434.18,605 -540,620 -250,625 -243.32,688.98 2455,695 2495,695 2530,695 -693.64,710 2455,735 2493.28,735 2530,735 814.44,799.97 -730,865 970,925 3510,975 -787.4,984.25 1122.94,1219.09 639.43,1232.21 879.44,1236.05 1550,1235.42 3774.36,1344.22 258.65,1415 3101.72,1420 3147.53,1420 3145,1465 5,1660 3030,1725 2975.07,1765 3010,1920 0,1955 -590.64,2008.65 -750,2025 3016.88,2041.61 -1070,2085 2980,2115 -75,2285 -15.56,2440 3762.03,2525.56 -75,2555 10,2620 -210,2645 -1055,2675 -412.56,2725 -60,2735 45,2790 -438.56,2811.65 -1060,2845 2700,2900 -160,2910 -10,2940 -800,2994.65 -1030,3045 -759.56,3075 -10,3095 -1050,3162.65 -135.56,3176.65 -800,3195 -970,3210 -265,3232.65 2968.49,3263.65 2700,3270 2840.55,3280 -15,3285 -1085,3300 -215,3335 -1020,3370 -814.56,3383.65 -720,3395 -807.56,3445 -30,3445 2999.44,4205 -368.16,4254.12 2909.12,4253.65 -525,4294.4 2435,4300 1860,4320 1744.44,4325.46 3285,4340 1820,4350 3375,4355 3138.43,4365 1873.18,4380 -300,4435 910,4445 2730,4448.53 785,4450 1375,4450 2430,4450 1070,4455 2573.46,4460 1210,4465 370,4481.17 1274.44,4484.1 1315,4523.73 3497.79,4530 245.66,4538.65 2384.44,4558.77 1265,4592.7 345,4595 2925,4610 425,4611.86 276.02,4615.89 925,4638.65 -105,4645 2567.19,4650 2384.44,4660 2676.01,4664.47 960,4670 865,4675 750,4700.62 450,4706.52 955,4728.65 2955,4730 235,4735 310,4740 2810,4745 2567.19,4752.66 2670,4760 865,4775 740,4785 945,4795 676.84,4800 2615,4835 2820,4840.86 2715,4860 -110.33,4875 2945,4877.36 3275,4879.28 2564.45,4885.31 2760,4900 2660,4955 2564.45,4958.02 167.04,4980 2830,4985 2985,4995 470,5005 -110,5025 2606.4,5057.65 2745,5057.65 785,5085 2880,5087.86 635.44,5091.8 440.82,5100 230,5105 276.02,5105 315,5105 2660,5155 2560,5180 2725,5190
  other v3: 1004.44,733.65 654.44,738.65 2510.38,864.59 1189.44,953.65 2384.44,1062.76 2524.44,1063.65 2704.44,1083.79 -50.56,1223.65 79.44,1258.65 3474.44,1848.65 3609.44,1883.65 -385.56,1898.65 3813.97,2098.65 3229.44,2673.65 3284.44,2868.65 3154.44,3263.65 3755.08,3383.65 -315.2,3598.65 -536.31,3733.65 -92.72,3798.65 3184.62,3912.65 -45.56,4035.45 79.44,4035.45 263.49,4168.65
GRID1: SMG1.12 U4.6 | length 2000.6
  Bottom Layer w10: SMG1.12@1057.04,483.52 cw(c1008.45,434.93) 1077.17,434.93 cw(c1145.88,434.93) SMG1.12@1097.29,483.52 ; SMG1.12@1064.11,490.59 cw(c1032.59,459.07) 1077.17,459.07 cw(c1121.74,459.07) SMG1.12@1090.22,490.59 ; SMG1.12@1077.17,503.65 1077.17,431.73 965,319.56 965,155 1024.45,95.55 2091.34,95.55 2109.44,113.65 2109.44,263.65 2094.44,278.65 U4.6@2037.53,278.65 ; U4.6@2065.11,274.39 cw(c2075.4,264.11) 2075.4,278.65 cw(c2075.4,293.19) U4.6@2065.11,282.91